# Altium PCB S7.PcbDoc (part 3 of 6) (continued)
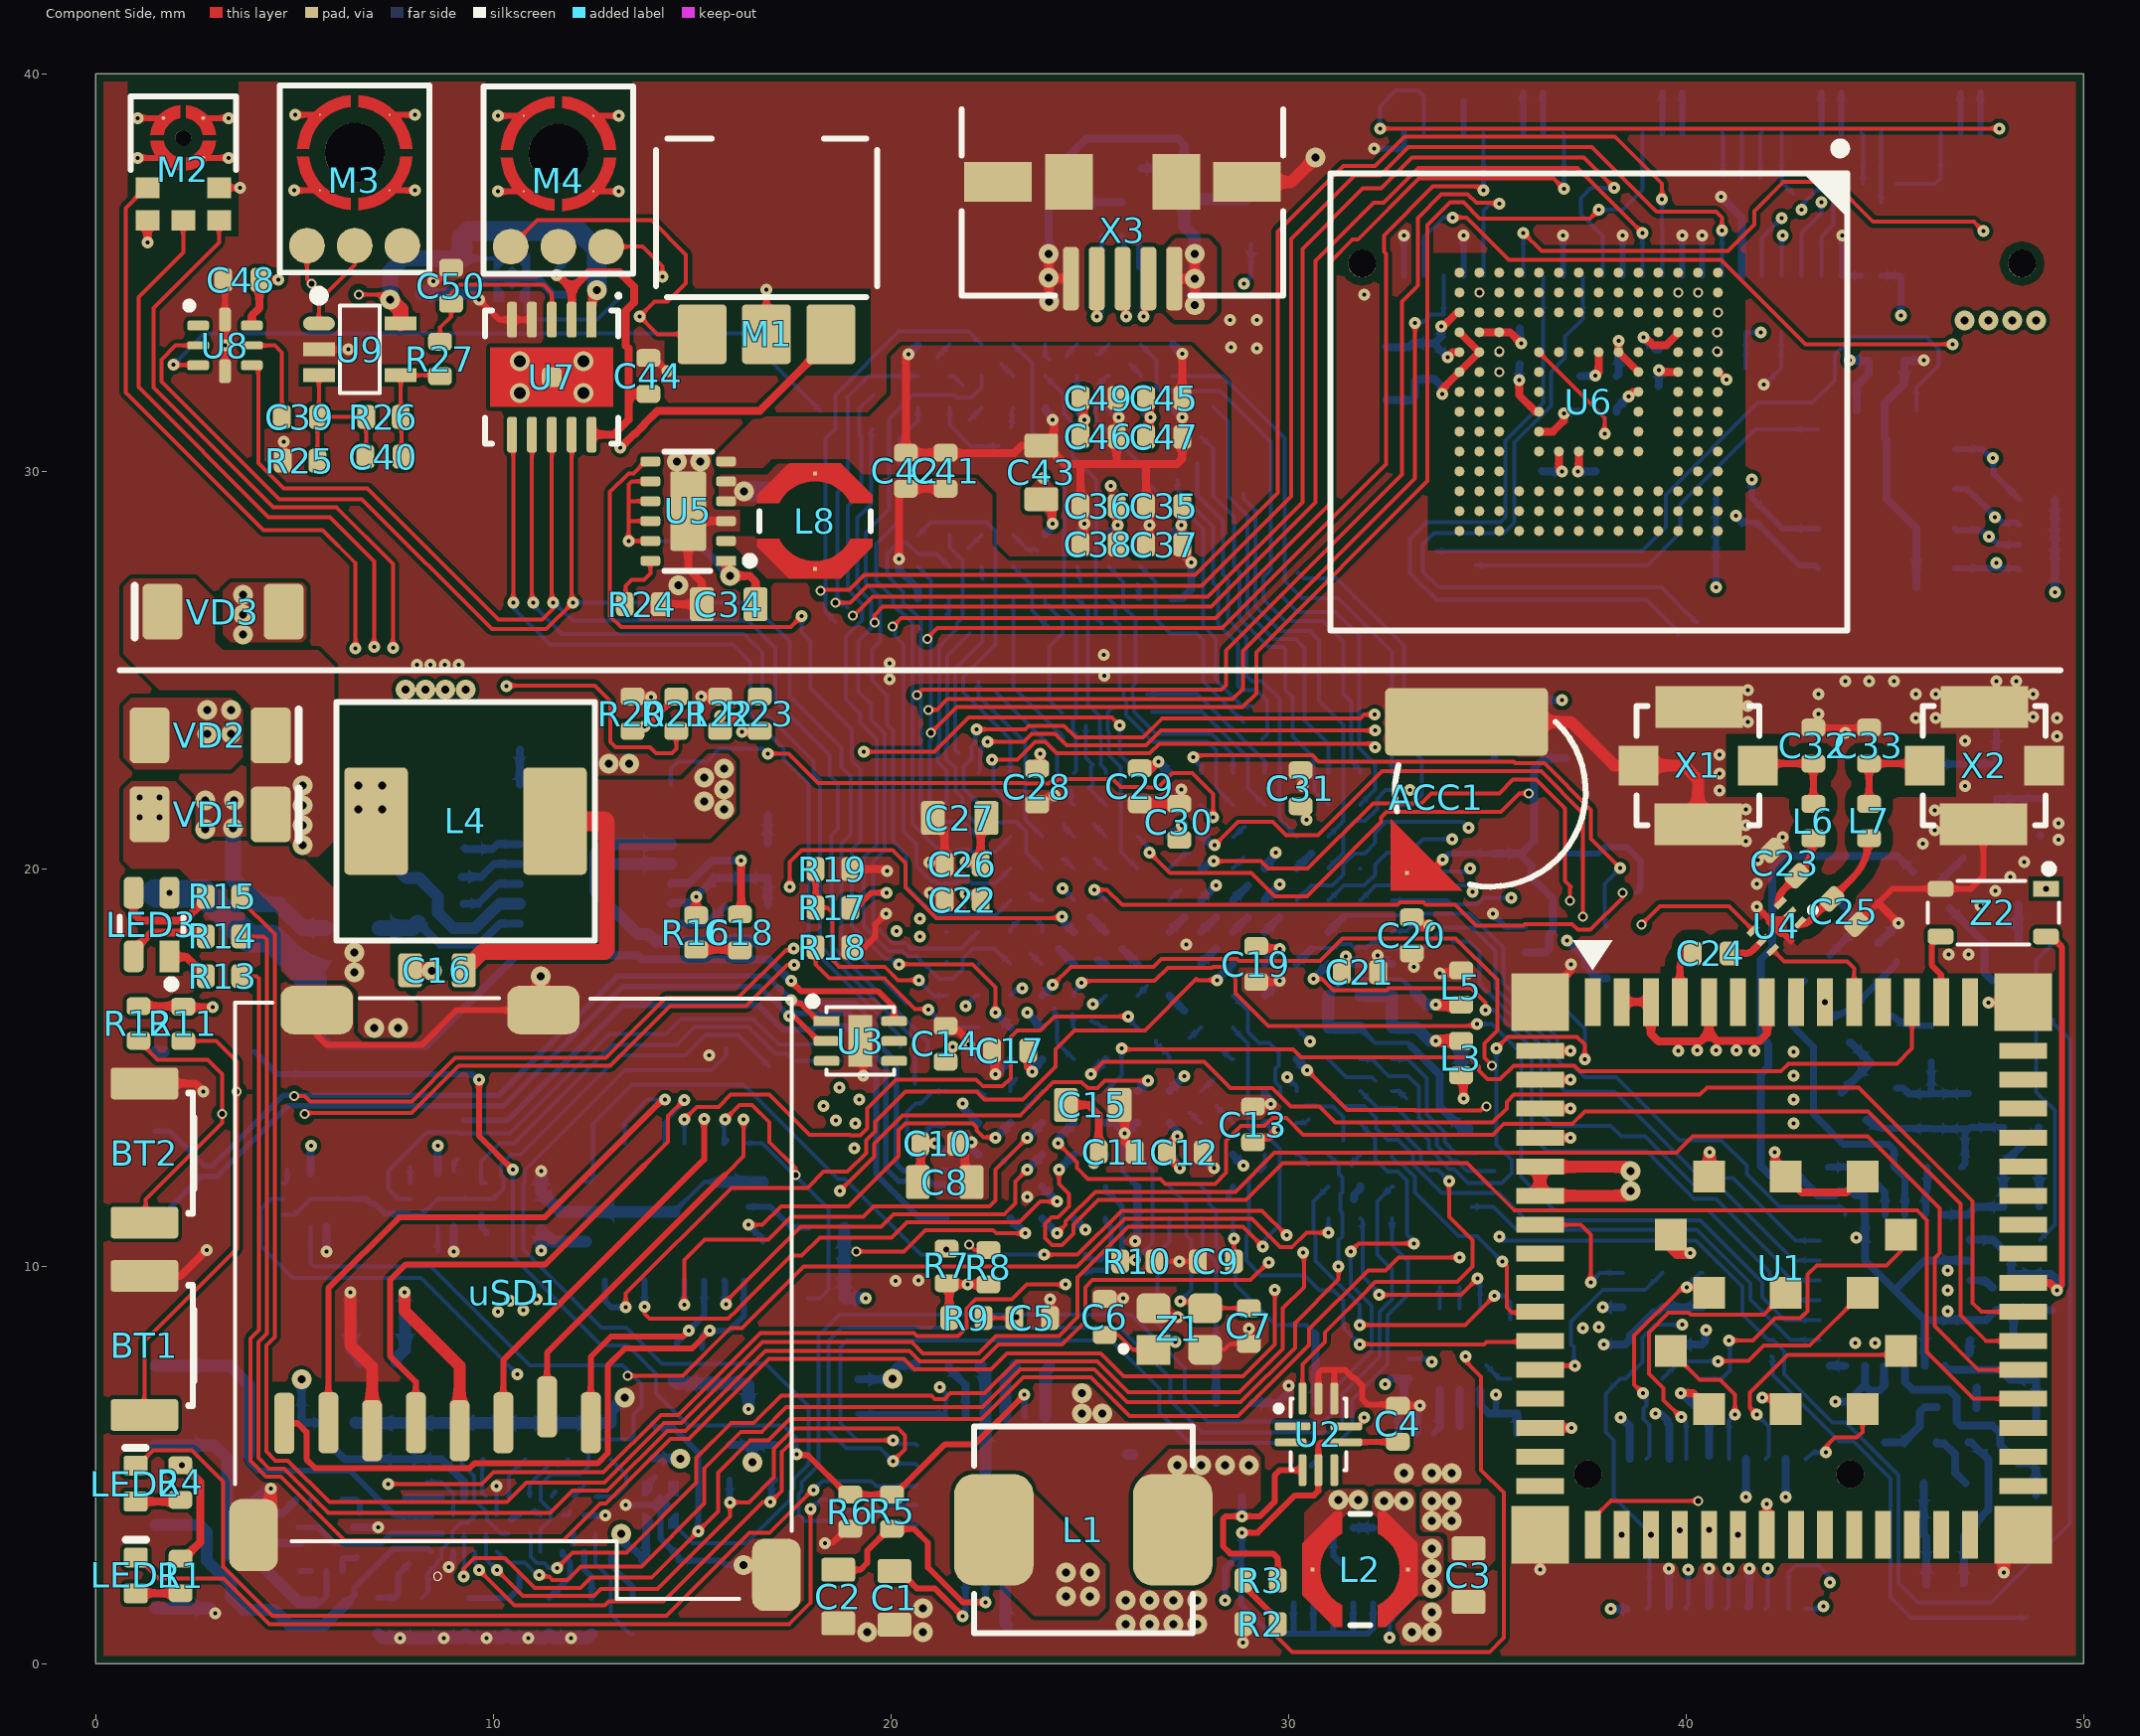
[diagram p0: Component Side view]
## Nets (pads, with @x,y where several pads share a name; then routed paths per layer and width w, separated by ;. In a path a pad name is that pad's centre, name@x,y a point inside that pad or via, vN(x,y) a via of type N, cw(c..) or ccw(c..) an arc to the next point about the centre after c; other vN are vias at no path point) (continued)
  Solder Side w0.3: P_MIC_GND1.1@1.5,1.4 2.873,1.4 v1(3,1.273) ; P_VBAT_GND1.1@1.5,15.4 P_VBAT_GND1.1@1.703,15.4 ; C68.1@3.908,3.967 4.354,4.413 v1(4.4,4.413) ; v1(6.4,9.35) 6.4,8.725 C84.1@6.425,8.7 6.425,7.898 6.648,7.675 C82.1@6.648,7.6 ; C83.2@6.525,6.064 6.538,6.052 C79.2@7.7,6.052 C77.2@8.7,6.052 C76.2@10.8,6.052 C75.2@11.875,6.052 C74.2@12.955,6.052 12.955,6.348 v3(13.3,6.693) ; C65.1@7.1,0.748 7.198,0.65 v1(7.65,0.65) v1(8.75,0.65) 9.202,0.65 C64.2@9.3,0.748 9.398,0.65 v1(9.825,0.65) 10.242,0.65 C63.2@10.34,0.748 10.438,0.65 v1(10.875,0.65) 11.302,0.65 C54.2@11.4,0.748 11.498,0.65 v1(11.95,0.65) 12.372,0.65 C55.2@12.47,0.748 ; C122.2@8.18,34.448 C121.2@9.21,34.448 ; v1(11.2,12.4) C88.1@11.2,11.852 11.677,11.375 U18.PAD@14.55,11.375 ; U23.5@14.462,20.125 12.812,20.125 U23.17@12.562,20.375 ; U23.4@14.462,20.625 12.812,20.625 U23.17@12.562,20.375 ; U18.PAD@15.652,12.125 U18.10@16.775,12.125 ; R50.1@16.7,18.176 16.676,18.2 15.83,18.2 R49.1@15.8,18.17 14.089,18.17 13.901,18.358 13.632,18.358 12.562,19.428 U23.17@12.562,20.375 ; R43.2@22.253,7.512 22.253,7.438 22.375,7.316 U11.9@22.375,6.225 22.375,4.5 U11.25@22.625,4.25
  Solder Side w0.4: v3(3.45,21.025) 3.45,19.752 C103.1@4.05,19.152 4.1,19.102 4.602,19.102 5.193,18.512 C102.2@5.787,18.512
  other v1: 18.348,3.037 44.25,8.075 44.75,8.075 46.575,8.875 46.575,9.4 20.119,9.638 20.697,9.644 46.575,9.9 44.275,10.725 23.429,11.746 42.7,13.6 42.7,14.2 2.7,14.4 42.7,14.8 15.43,15.313 42.7,15.4 40.279,15.429 40.75,15.429 41.719,15.425 33.154,17.538 46.6,17.85 47.1,17.85 27.425,18.101 41.775,19.05 47.4,19.075 47.775,19.45 41.775,19.625 48.15,19.8 48.5,20.175 41.8,20.225 45.949,20.628 41.5,20.7 49.364,20.736 42.425,20.8 46.25,20.975 41.5,21.1 49.373,21.147 46.25,21.475 41.5,21.5 40.846,21.965 47.02,22.08 40.846,22.397 40.846,22.865 47.018,23.214 49.325,23.337 44,23.425 41.55,23.7 45.775,23.8 46.275,23.8 49.325,23.8 48.725,23.825 43.325,23.9 41.55,24.1 43.325,24.4 45.775,24.4 46.275,24.4 48.725,24.4 41.55,24.5 44,24.725 44.6,24.725 45.225,24.725 48.3,24.725 19.972,24.772 25.364,24.855 8.079,25.136 8.417,25.136 8.773,25.136 9.126,25.136 19.972,25.177 25.357,25.383 25.524,29.627 23.825,29.83 29.207,33.094 28.548,33.117 3.25,33.167 28.533,33.802 29.201,33.805 31.91,34.44
  other v2: 44.2,20.9 44.7,20.9 45.2,20.9
  other v3: 19.4,0.8 20.8,0.8 33.1,0.8 33.6,0.8 25.9,1 26.5,1 27.1,1 27.7,1 33.6,1.3 20.8,1.4 25.9,1.6 26.5,1.6 27.1,1.6 27.7,1.6 32.9,4.8 33.6,4.8 34.1,4.8 24.8,6.29 25.32,6.3 24.8,6.81 2.75,21 2.75,21.725 3.475,21.725 12.9,22.641 13.423,22.65 14.65,27.13 14.613,30.25 15.2,30.25 23.977,34.27
  other v4: 34.801,34.5
  other v5: 0.8,1.1 1.4,1.1 2,1.1 0.8,1.8 1.4,1.8 2,1.8 0.8,9.1 1.4,9.1 2,9.1 0.8,9.8 1.4,9.8 2,9.8 0.8,15.1 1.4,15.1 2,15.1 1.4,15.8 0.8,21.1 1.4,21.1 2,21.1 0.8,21.8 1.4,21.8 2,21.8
  other v6: 0.8,15.8 2,15.8
HPL_N: U13.B6 X6.50 | length 70
  Inner1 w0.08: v1(10.123,8.856) 10.123,11.319 9.376,12.066 9.376,13.133 10.068,13.826 10.068,15.573 9.509,16.132 9.509,18.025 11.43,19.946 11.43,24.733 12.393,25.696 12.393,29.29 12.148,29.535 12.148,31.03 13.33,32.212 13.33,32.946 17.783,37.399 32.594,37.399 34.124,38.929 39.147,38.929 39.865,38.211 42.232,38.211 42.898,37.545 43.449,37.545 43.87,37.124 43.87,36.513 43.287,35.93 v1(42.425,35.93)
  Inner4 w0.08: v1(10.123,8.856) 10.263,8.716 10.263,8.241 11.728,6.775 11.728,5.459 10.975,4.706 10.991,4.69 v7(10.991,3.85)
  Solder Side w0.1: v7(10.991,3.85) 11.025,3.85 11.045,3.87 U13.B6@11.188,3.728 ; X6.50@42.4,34.925 42.4,35.905 v1(42.425,35.93)
HPL_P: U13.A5 X6.49 | length 68.9
  Inner1 w0.08: v1(10.416,9.13) 10.321,9.225 10.321,11.401 9.574,12.148 9.574,13.077 10.266,13.77 10.266,15.655 9.689,16.232 9.689,17.925 11.628,19.864 11.628,24.676 12.591,25.639 12.591,29.372 12.328,29.635 12.328,30.93 13.528,32.13 13.528,32.864 17.865,37.201 32.676,37.201 34.206,38.731 39.065,38.731 39.783,38.013 42.15,38.013 42.798,37.365 43.284,37.365 43.69,36.959 43.69,36.646 43.331,36.287 42.789,36.287 42.708,36.368 v1(42.4,36.368)
  Inner4 w0.08: v1(10.416,9.13) 10.416,9.119 10.443,9.093 10.443,8.315 11.908,6.85 11.908,5.385 11.6,5.077 11.6,4.497 11.562,4.458 v7(11.562,4.382)
  Solder Side w0.1: U13.A5@11.463,4.203 11.463,4.23 v7@11.562,4.329 ; X6.49@41.9,34.925 41.9,35.867 v1(42.4,36.368)
HPR_N: U13.A3 X6.52 | length 67.6
  Inner1 w0.08: v1(11.095,9.177) 10.7,9.571 10.7,11.558 9.953,12.305 9.953,12.946 10.645,13.639 10.645,15.812 10.049,16.408 10.049,17.749 12.007,19.707 12.007,24.546 12.97,25.509 12.97,29.529 12.688,29.811 12.688,30.754 13.907,31.973 13.907,32.707 18.022,36.822 32.833,36.822 34.363,38.352 38.908,38.352 39.607,37.653 41.974,37.653 42.2,37.427 42.2,37.097 42.72,36.577 v1(42.909,36.577)
  Inner4 w0.08: v1(11.095,9.177) 11.062,9.144 11.062,8.243 12.475,6.83 12.475,5.039 12.28,4.844 v7(12.28,4.47)
  Solder Side w0.1: U13.A3@12.013,4.203 v7(12.28,4.47) ; v1(42.909,36.577) 42.909,36.7 43.276,37.066 43.524,37.066 43.7,36.89 43.7,36.203 43.4,35.903 X6.52@43.4,34.925
HPR_P: U13.B4 X6.51 | length 67.6
  Inner1 w0.08: v1(10.752,8.9) 10.752,9.241 10.501,9.492 10.501,11.475 9.754,12.223 9.754,13.002 10.446,13.695 10.446,15.73 9.869,16.307 9.869,17.851 11.808,19.789 11.808,24.602 12.771,25.565 12.771,29.447 12.508,29.71 12.508,30.855 13.708,32.055 13.708,32.789 17.94,37.021 32.75,37.021 34.28,38.551 38.99,38.551 39.708,37.833 42.075,37.833 42.723,37.185 42.981,37.185 v1(43.4,36.766)
  Inner4 w0.08: v1(10.752,8.9) 10.7,8.9 10.662,8.861 10.662,8.389 12.187,6.863 12.187,5.235 11.935,4.983 v7(11.935,3.841)
  Solder Side w0.1: U13.B4@11.738,3.728 11.864,3.728 11.935,3.798 v7(11.935,3.841) ; X6.51@42.9,34.925 42.9,36.001 43.4,36.501 v1(43.4,36.766)
I_SENS: U2.10 U17.R12 | length 10.9
  Component Side w0.1: U2.10@30.35,6.673 30.35,7.529 30.915,8.094 30.915,8.339 32,9.424 32,9.429 32.176,9.605 32.424,9.605 32.425,9.604 32.426,9.605 34.241,9.605 34.626,9.99 34.626,10.658 34.037,11.247 v1(34.037,12.15)
  Solder Side w0.1: U17.R12@32.6,13.604 32.613,13.604 33.325,12.892 33.325,12.658 33.56,12.423 33.764,12.423 v1(34.037,12.15)
I_SENS_EN: U2.7 U17.E5 | length 20.5
  Component Side w0.1: U2.7@31.45,5.973 31.75,5.973 31.862,6.085 31.862,6.162 v1(31.9,6.2)
  Inner1 w0.08: v1(24.315,19.508) 24.004,19.197 24.004,17.678 24.198,17.484 24.971,17.484 25.48,16.975 25.48,14.165 26.329,13.316 26.329,11.949 26.5,11.779 26.5,7.57 27.8,6.27 31.83,6.27 v1(31.9,6.2)
  Solder Side w0.1: v1(24.315,19.508) 24.6,19.223 U17.E5@24.6,19.204
IMU_CLK: U15.13 U17.J4 | length 28.5
  Component Side w0.1: v1(28.12,20.19) 29.302,20.19 29.488,20.004 30.479,20.004 32.125,21.65 33.344,21.65 33.594,21.9 35.3,21.9 35.645,22.245 36.23,22.245 36.957,21.518 36.957,19.692 37.1,19.55 37.074,19.524 v4(37.074,19.2)
  Inner1 w0.1: v4(37.074,19.2) 37.074,19.181 37.1,19.155 37.075,19.13 37.075,18.635 37.46,18.25 37.46,15.967 37.95,15.477 37.95,13.188 37.3,12.538 37.3,9.476 37.4,9.376 37.4,8.45 v1(37.41,8.44)
  Inner4 w0.08: v2(34.3,9.471) 34.3,9.285 34.659,8.926 36.789,8.926 36.792,8.928 v1@37.345,8.375
  Solder Side w0.1: U15.13@34.3,8.95 v2(34.3,9.471)
  Solder Side w0.2: U17.J4@27.8,20.004 27.868,20.004 28.034,20.171 28.101,20.171 v1(28.12,20.19)
IMU_CS: U15.12 U17.J3 | length 30.5
  Component Side w0.1: v1(28.14,20.59) 28.729,21.179 29.601,21.179 29.94,20.84 30.74,20.84 32.355,22.455 36.355,22.455 37.409,21.401 v4(37.409,18.795)
  Inner1 w0.1: v4(37.409,18.795) 37.409,18.76 37.66,18.51 37.66,16.05 38.15,15.56 38.15,13.05 37.6,12.5 37.6,10.2 37.9,9.9 37.9,9.476 37.6,9.176 37.6,8.684 37.81,8.474 v1(37.81,8.47)
  Inner4 w0.08: v2(33.8,9.484) 33.8,9.24 34.44,8.6 36.585,8.6 37.11,8.075 37.515,8.075 37.81,8.37 v1(37.81,8.47)
  Solder Side w0.1: U15.12@33.8,8.95 v2(33.8,9.484)
  Solder Side w0.2: U17.J3@27.8,20.804 27.868,20.804 28.063,20.609 28.121,20.609 v1(28.14,20.59)
IMU_INT1: U15.9 U17.M10 | length 13.1
  Component Side w0.1: v1(30.469,14.935) 31.475,13.929 33.178,13.929 33.183,13.925 34.832,13.925 34.922,14.016 v4(34.977,14.016)
  Inner1 w0.1: v1(33.6,7.6) 33.654,7.6 33.761,7.707 33.779,7.707 34.977,8.904 34.977,9.033 34.875,9.135 34.875,9.383 34.977,9.485 34.977,9.492 35.05,9.566 35.05,9.814 34.977,9.888 v4(34.977,14.016)
  Solder Side w0.1: U15.9@33.025,7.675 v1@33.6,7.675
  Solder Side w0.2: U17.M10@30.2,15.204 v1(30.469,14.935)
IMU_INT2: U15.4 U17.N10 | length 11.3
  Inner4 w0.08: v2(32.173,14.675) 32.173,12.303 32.092,12.222 32.105,12.209 32.105,11.924 32.135,11.894 32.135,11.484 32.105,11.454 32.105,10.075 33.975,8.205 33.975,7.474 34.124,7.325 34.798,7.325 v2(34.977,7.504)
  Solder Side w0.1: U17.N10@31,15.204 31.45,14.754 32.094,14.754 v2(32.173,14.675) ; v2(34.977,7.504) 35.305,7.175 U15.4@35.575,7.175
IMU_SDI: U15.14 U17.P15 | length 5.5
  Component Side w0.1: v1(32.28,9.28) 34.34,9.28 34.365,9.305 v1(34.75,9.69)
  Solder Side w0.1: U17.P15@31.8,11.204 31.862,11.142 31.862,9.743 32.28,9.325 v1(32.28,9.28) ; v1(34.75,9.69) 34.75,9.66 34.818,9.592 34.818,8.968 U15.14@34.8,8.95
IMU_SDO: U15.1 U17.N14 | length 8.7
  Component Side w0.1: v1(31.788,8.525) 34.441,8.525 v1(35.175,9.259)
  Solder Side w0.1: U17.N14@31,12.004 30.625,11.629 30.625,10.859 30.675,10.809 30.675,10.134 31.788,9.021 v1(31.788,8.525) ; v1(35.175,9.259) 35.411,9.259 35.575,9.095 U15.1@35.575,8.675
JTAG_TCLK/SWD_CLK: U17.F5 X4.4 | length 38.6
  Component Side w0.1: v1(25.113,19.472) 25.434,19.472 25.813,19.093 32.745,19.093 32.804,19.152 33.396,19.152 33.455,19.093 34.19,19.093 34.712,18.571 35.904,18.571 35.943,18.61 37.134,18.61 37.274,18.47 37.595,18.47 38.4,19.275 v4(38.4,19.4)
  Inner1 w0.1: v4(38.4,19.4) 38.4,19.336 38.31,19.246 38.5,19.056 38.5,16.342 39.12,15.722 39.12,13.721 39.657,13.184 39.657,9.394 40.2,8.851 40.2,6.876 41.438,5.638 42.023,5.638 43.125,4.536 43.125,2.593 42.311,1.78 40.544,1.78 40.054,2.269 v1(40.054,2.372)
  Solder Side w0.1: v1(25.113,19.472) 25.132,19.472 U17.F5@25.4,19.204 ; X4.4@40,1.378 39.974,1.404 40.054,1.485 v1(40.054,2.372)
JTAG_TDI: U17.C2 X4.8 | length 38.7
  Component Side w0.1: v1(22.545,22.75) 23.18,22.75 ; 23.181,22.75 23.631,23.2 23.879,23.2 24.055,23.024 24.055,23.02 24.171,22.904 26.505,22.904 26.751,23.15 32.082,23.15 v1(32.177,23.056)
  Inner1 w0.1: v1(32.177,23.056) 33.786,23.056 37.496,19.346 37.62,19.222 37.62,19.044 ; 37.678,18.986 37.62,19.044 ; v1(42.05,2.4) 42.05,3.221 41.205,4.066 41.205,4.283 39.575,5.914 39.575,6.209 39.526,6.258 39.526,6.424 39.37,6.581 39.37,6.778 38.52,7.627 38.52,9.716 37.925,10.311 37.925,12.436 38.52,13.031 38.52,15.473 37.9,16.093 37.9,18.764 37.62,19.044
  Solder Side w0.1: v1(22.545,22.75) 22.575,22.72 22.575,22.029 U17.C2@23,21.604 ; X4.8@42,1.378 41.992,1.386 42.05,1.444 v1(42.05,2.4)
JTAG_TDO/TRACE_SWO: U17.B1 X4.6 | length 41.1
  Component Side w0.1: v1(22.425,23.2) 23.348,23.2 23.548,23.4 24.125,23.4 24.421,23.104 26.422,23.104 26.798,23.48 v1(32.177,23.48)
  Inner1 w0.1: v1(32.177,23.48) 33.645,23.48 37.82,19.305 37.82,19.127 38.1,18.847 38.1,16.176 38.72,15.556 38.72,13.041 39.15,12.611 39.15,10.23 38.85,9.93 38.85,7.862 39.57,7.142 39.57,6.686 39.748,6.507 40.073,6.507 41.411,5.17 41.944,5.17 42.8,4.314 42.8,2.7 42.15,2.05 41.315,2.05 41.07,2.295 v1(41.07,2.4)
  Solder Side w0.1: U17.B1@22.2,22.404 22.245,22.449 22.245,23.006 22.425,23.187 v1(22.425,23.2) ; X4.6@41,1.378 41.07,1.448 v1(41.07,2.4)
JTAG_TMS/SWD_DIO: R31.1 U17.B2 X4.2 | length 40.9
  Component Side w0.1: v1(22.15,23.508) 23.373,23.508 23.465,23.6 24.354,23.6 24.65,23.304 26.339,23.304 26.812,23.777 31.8,23.777 31.903,23.88 v1(32.17,23.88)
  Inner1 w0.1: v1(32.17,23.88) 33.602,23.88 38.041,19.441 38.041,19.189 38.3,18.93 38.3,16.259 38.92,15.639 38.92,13.516 39.35,13.086 39.35,9.08 v1(39.9,8.53)
  Solder Side w0.1: v1(22.15,23.508) 22.125,23.484 22.125,23.17 22.02,23.064 22.02,23.05 22.027,23.042 22.027,22.772 21.825,22.569 21.825,22.025 22.2,21.65 U17.B2@22.2,21.604 ; X4.2@39,1.378 39.076,1.454 39.076,3.294 38.185,4.185 38.185,5.624 37.975,5.835 37.975,6.801 38.34,7.165 R31.1@38.4,7.165 38.475,7.165 38.898,7.588 38.898,8.205 39.224,8.53 v1(39.9,8.53)
LCD_BLE: U17.A7 X6.35 | length 34
  Component Side w0.1: v4(20.65,24.373) 20.783,24.506 28.311,24.506 28.427,24.622 28.427,25.496 32.851,29.92 32.851,34.272 33.25,34.671 33.25,36.372 33.844,36.966 34.51,36.966 34.724,36.752 35.278,36.752 v1(35.304,36.727)
  Inner1 w0.08: v1(20.142,18.439) 20.18,18.476 20.18,19.18 20.3,19.3 20.3,24.031 20.642,24.373 v4(20.65,24.373)
  Inner4 w0.08: v1(20.142,18.439) 20.634,17.947 21.053,17.947 21.396,17.604 21.4,17.608 v2(21.4,17.654)
  Solder Side w0.1: U17.A7@21.4,17.604 v2(21.4,17.654) ; X6.35@34.9,34.925 34.9,36.56 35.067,36.727 v1(35.304,36.727)
LCD_CLK: U17.E9 X6.25 | length 48.8
  Inner4 w0.08: v2(24.571,16.354) 24.741,16.524 24.741,16.673 24.96,16.891 26.167,16.891 26.317,16.742 26.886,16.742 27.111,16.967 28.023,16.967 28.08,16.91 28.621,16.91 28.911,17.2 29.381,17.2 29.64,17.459 29.644,17.459 29.655,17.469 30.165,17.469 31.636,18.94 33.541,18.94 34.316,19.716 34.826,19.716 35.4,20.29 35.4,21.651 36.045,22.296 36.045,26.41 40.38,30.746 41.795,30.746 43.47,32.421 43.47,33.062 46.954,36.546 46.954,38.308 46.49,38.772 46.382,38.772 46.274,38.88 46.193,38.88 46.188,38.885 44.751,38.885 44.746,38.88 44.605,38.88 44.515,38.79 40.766,38.79 40.641,38.915 40.215,38.915 39.925,38.625 37.017,38.625 36.917,38.525 v2(35.4,38.525)
  Solder Side w0.1: v2@24.569,16.355 24.586,16.339 24.586,16.019 U17.E9@24.6,16.004
LCD_DAT0: U17.M4 X6.3 | length 30.8
  Inner4 w0.08: v2(30.5,20.4) 30.593,20.4 30.868,20.675 30.868,20.974 30.941,21.046 30.941,22.412 31.562,23.034 31.562,25.763 33.246,27.446 33.246,31.741 33.791,32.287 34.212,32.287 35.787,33.862 36.08,33.862 36.593,34.375 40.875,34.375 41.73,35.23 41.73,36.463 42.603,37.336 43.279,37.336 43.687,36.927 44.58,36.927 44.765,37.112 44.765,37.144 44.849,37.228 v2(45.288,37.228)
  Solder Side w0.1: v2(45.288,37.228) 46.252,37.228 46.4,37.376 X6.3@46.4,38.525
  Solder Side w0.2: U17.M4@30.2,20.004 U17.M4@30.2,20.004 30.574,20.379 v2@30.575,20.379
LCD_DAT1: U17.P4 X6.4 | length 24.5
  Inner4 w0.08: v2(31.8,20.004) 31.873,20.004 32.081,20.212 32.309,20.212 32.476,20.379 32.676,20.379 34.212,21.915 34.212,25.834 40.344,31.966 41.084,31.966 41.309,32.191 41.309,32.254 42.053,32.997 42.252,32.997 45.9,36.645 v2(45.9,37.848)
LCD_DAT2: U17.R3 X6.5 | length 23.2
  Inner4 w0.08: v2(32.61,20.81) 33.942,22.142 33.942,25.896 41.223,33.177 42.178,33.177 45.69,36.69 45.69,37.336 45.379,37.646 v2(45.379,37.865)
  Solder Side w0.1: U17.R3@32.6,20.804 32.604,20.804 v2(32.61,20.81)
LCD_DAT3: U17.K6 X6.6 | length 30.6
  Inner4 w0.08: v2(28.975,18.782) 29.085,18.782 29.415,19.112 30.224,19.112 31.305,20.193 31.305,20.348 31.496,20.54 31.496,21.598 33.1,23.202 33.1,26.224 34.253,27.377 34.253,27.689 34.609,28.046 34.609,31.519 35.841,32.751 36.045,32.751 37.168,33.875 42.223,33.875 43.728,35.38 43.905,35.38 44.9,36.375 v2(44.9,36.766)
  Solder Side w0.1: v2(44.9,36.766) X6.6@44.9,38.525
  Solder Side w0.2: U17.K6@28.6,18.404 U17.K6@28.6,18.404 28.974,18.779 v2@28.975,18.779
LCD_DAT4: U17.K5 X6.7 | length 30.7
  Inner4 w0.08: v2(29.1,19.6) 29.1,19.707 29.126,19.733 29.293,19.9 29.835,19.9 30.185,20.25 30.185,20.53 30.285,20.63 30.285,20.645 30.761,21.121 30.761,22.662 31.238,23.14 31.238,25.891 32.886,27.539 32.886,31.689 33.715,32.517 34.151,32.517 35.718,34.084 35.89,34.084 36.428,34.622 40.815,34.622 41.55,35.358 41.55,36.618 42.466,37.534 42.778,37.534 42.779,37.533 43.04,37.533 43.041,37.534 44.158,37.534 v2(44.45,37.242)
  Solder Side w0.1: X6.7@44.4,38.525 44.45,38.475 v2(44.45,37.242)
  Solder Side w0.2: U17.K5@28.6,19.204 U17.K5@28.6,19.204 28.974,19.579 v2@28.975,19.579
LCD_DAT5: U17.J7 X6.10 | length 33.6
  Inner4 w0.08: v2(28.18,17.99) 28.654,18.464 30.396,18.464 31.621,19.689 32.241,19.689 35.119,22.568 35.119,26.372 40.449,31.702 41.074,31.702 41.489,32.117 41.489,32.179 42.127,32.817 42.444,32.817 46.274,36.648 46.274,37.931 45.971,38.235 45.125,38.235 44.737,37.848 v2(42.909,37.848)
  Solder Side w0.2: U17.J7@27.8,17.604 27.8,17.607 28.18,17.987 v2(28.18,17.99)
LCD_DAT6: U17.J6 X6.11 | length 30
  Inner4 w0.08: v2(28.175,18.782) 28.678,19.285 29.333,19.285 29.34,19.292 30.15,19.292 31.125,20.267 31.125,20.423 31.316,20.614 31.316,21.785 32.779,23.249 32.779,26.211 34.073,27.504 34.073,31.748 34.585,32.261 35.096,32.261 35.767,32.931 35.97,32.931 37.164,34.125 41.035,34.125 41.91,35 41.91,36.288 42.6,36.978 v2(42.703,36.978)
  Solder Side w0.1: X6.11@42.4,38.525 42.4,37.281 v2(42.703,36.978)
  Solder Side w0.2: U17.J6@27.8,18.404 U17.J6@27.8,18.404 v2@28.174,18.779
LCD_DAT7: U17.H5 X6.12 | length 29.8
  Inner4 w0.08: v2(27.275,19.462) 27.713,19.9 28.954,19.9 29.134,20.08 29.76,20.08 30.005,20.325 30.005,20.605 30.105,20.705 30.105,21.425 29.969,21.561 29.969,22.292 30.97,23.293 30.97,25.881 32.532,27.443 32.532,31.966 33.819,33.253 34.51,33.253 35.739,34.482 35.977,34.482 36.414,34.919 40.744,34.919 41.37,35.545 41.37,36.883 v2(41.868,37.382)
  Solder Side w0.1: U17.H5@27,19.204 27.008,19.204 27.267,19.462 v2(27.275,19.462) ; v2(41.868,37.382) 41.868,38.49 41.902,38.523 X6.12@41.9,38.525
LCD_DAT8: U17.H4 X6.13 | length 29
  Inner4 w0.08: v2(27.491,20.39) 28.052,20.952 28.283,20.952 28.533,21.202 28.533,25.326 28.656,25.45 30.198,25.45 32.159,27.411 32.159,32.294 33.501,33.635 33.501,33.864 34.132,34.494 35.497,34.494 36.189,35.186 40.602,35.186 41.19,35.774 41.19,37.031 41.4,37.241 v2(41.4,37.382)
  Solder Side w0.1: U17.H4@27,20.004 27.386,20.39 v2(27.491,20.39) ; v2(41.4,37.382) X6.13@41.4,38.525
LCD_DAT9: U17.G7 X6.14 | length 33.8
  Inner4 w0.08: v2(25.8,17.9) 26.531,17.9 26.805,18.174 26.805,18.884 26.665,19.024 26.665,19.586 26.986,19.907 26.986,20.7 27.004,20.717 27.004,21.202 27.656,21.854 27.656,22.205 27.224,22.637 27.224,22.88 27.986,23.641 27.986,25.61 28.302,25.927 30.075,25.927 31.63,27.481 31.63,32.839 33.055,34.264 33.055,34.85 33.724,35.519 33.724,36.608 34.543,37.427 35.764,37.427 36.465,36.726 37.333,36.726 37.497,36.89 38.011,36.89 38.157,36.744 38.566,36.744 39.249,37.427 v2(40.925,37.427)
  Solder Side w0.1: X6.14@40.9,38.525 40.925,38.5 v2(40.925,37.427)
  Solder Side w0.2: v2@25.825,17.979 25.826,17.979 26.2,17.606 U17.G7@26.2,17.604
LCD_DAT10: U17.G8 X6.15 | length 40
  Inner4 w0.08: v2(26.447,17.057) 26.472,17.082 26.709,17.082 26.856,17.229 27.815,17.229 28.081,17.495 29.422,17.495 29.606,17.679 30.12,17.679 31.561,19.12 33.261,19.12 34.411,20.269 34.411,20.49 35.063,21.143 35.063,21.785 35.718,22.439 35.718,26.338 40.492,31.112 41.729,31.112 43.29,32.673 43.29,33.136 46.76,36.607 46.76,38.14 46.2,38.7 46.118,38.7 46.113,38.705 44.825,38.705 44.82,38.7 44.68,38.7 44.505,38.525 44.43,38.6 v2(40.5,38.6)
  Solder Side w0.1: U17.G8@26.2,16.804 26.2,16.807 26.447,17.054 v2(26.447,17.057)
LCD_DAT11: U17.A6 X6.18 | length 35.7
  Component Side w0.1: v4(21.009,23.425) 21.651,24.068 28.847,24.068 29.187,24.408 29.187,25.45 33.49,29.752 33.49,36.19 34.066,36.766 34.404,36.766 34.81,36.36 37.583,36.36 v1(37.8,36.577)
  Inner1 w0.08: v1(20.732,18.744) 20.919,18.744 21.3,19.125 21.3,20.59 21.009,20.881 v4(21.009,23.425)
  Inner4 w0.08: v1(20.732,18.744) 20.742,18.734 21.061,18.734 v2(21.387,18.408)
  Solder Side w0.1: v2(21.387,18.408) 21.396,18.408 U17.A6@21.4,18.404 ; v1(37.8,36.577) 38.399,36.577 38.9,37.078 X6.18@38.9,38.525
LCD_DAT12: U17.F6 X6.19 | length 30.4
  Inner4 w0.08: v2(25,18.93) 24.877,18.93 24.778,19.029 24.778,19.755 24.912,19.889 25.365,19.889 25.579,20.103 25.579,22.23 27.296,23.946 27.296,25.898 27.963,26.565 29.676,26.565 29.678,26.562 29.939,26.562 30.697,27.321 30.697,36.043 32.089,37.435 32.089,37.442 32.226,37.442 32.806,38.022 37.067,38.022 37.25,38.205 38.035,38.205 v2(38.4,37.84)
  Solder Side w0.2: v2@25.025,18.779 25.026,18.779 U17.F6@25.4,18.404 U17.F6@25.4,18.404
LCD_DAT13: U17.F7 X6.20 | length 30.3
  Inner4 w0.08: v2(25.2,17.7) 25.2,17.749 25.15,17.799 25.623,18.272 25.945,18.272 26.027,18.19 26.307,18.19 26.625,18.508 26.625,18.692 26.398,18.919 26.398,19.593 26.806,20.001 26.806,20.774 26.824,20.792 26.824,21.369 27.02,21.565 27.02,23.035 27.786,23.8 27.786,25.716 28.186,26.116 30.002,26.116 31.313,27.427 31.313,34.93 31.26,34.983 31.26,35.627 33.279,37.646 36.705,37.646 36.938,37.413 37.488,37.413 37.882,37.806 v2(37.882,37.826)
  Solder Side w0.2: v2(25.2,17.7) 25.232,17.7 25.328,17.604 U17.F7@25.4,17.604 U17.F7@25.4,17.606
LCD_DAT14: U17.E7 X6.21 | length 29.9
  Inner4 w0.08: v2(24.225,17.982) 24.225,18.298 24.567,18.64 24.844,18.64 24.869,18.615 25.195,18.615 25.4,18.82 25.4,19.349 25.403,19.352 25.403,19.567 25.872,20.037 25.872,22.258 27.552,23.937 27.552,25.783 28.107,26.338 29.969,26.338 30.97,27.339 30.97,35.822 32.99,37.842 v2(37.377,37.842)
  Solder Side w0.2: v2@24.226,17.979 24.6,17.606 U17.E7@24.6,17.604
LCD_DAT15: U17.B11 X6.22 | length 43.6
  Component Side w0.1: v4(20.045,26.09) 20.26,26.306 28.162,26.306 31.05,29.193 31.05,35.275 31.601,35.827 31.743,35.827 33.283,37.367 36.668,37.367 v1(36.925,37.11)
  Inner1 w0.08: v1(19.2,14.2) 18.59,14.2 18.41,14.38 18.41,15.432 19.32,16.342 19.32,20.373 19.61,20.663 19.61,25.243 20.045,25.678 v4(20.045,26.09)
  Inner4 w0.08: v1(19.2,14.2) 19.216,14.216 21.336,14.216 21.51,14.39 21.92,14.39 22.11,14.2 v2(22.4,14.2)
  Solder Side w0.1: U17.B11@22.2,14.404 22.216,14.404 22.4,14.22 v2(22.4,14.2) ; X6.22@36.9,38.525 36.925,38.5 v1(36.925,37.11)
LCD_EXTCLK: U17.M12 X6.32 | length 48.2
  Component Side w0.1: v1(34.132,36.388) 34.475,36.388 35.548,35.315 40.885,35.315 43,33.2 v1(46.7,33.2)
  Inner4 w0.08: v2(30.5,13.7) 31.5,14.7 31.5,14.927 31.948,15.375 33.226,15.375 33.398,15.203 34.255,15.203 35.672,16.62 35.672,16.724 36.858,17.91 37.12,17.91 37.882,18.672 37.882,18.98 38.634,19.732 38.634,25.64 39.559,26.565 45.957,26.565 47.117,27.725 47.117,30.192 46.7,30.609 v1(46.7,33.2)
  Solder Side w0.1: U17.M12@30.2,13.604 30.404,13.604 v2(30.5,13.7) ; X6.32@33.4,34.925 33.4,35.89 33.898,36.388 v1(34.132,36.388)
LCD_ON: U17.B7 X6.33 | length 28.7
  Component Side w0.1: v4(20.942,24) 21.149,24 21.417,24.268 28.597,24.268 28.851,24.522 28.851,25.488 33.183,29.82 v1(33.183,33.727)
  Inner1 w0.08: v1(20.73,18.3) 20.442,18.588 20.442,18.974 20.642,19.174 20.642,23.7 v4(20.942,24)
  Inner4 w0.08: v1(20.73,18.3) 20.73,18.272 20.993,18.272 21.213,18.053 21.745,18.053 v2(22.2,17.599) v2(22.2,17.599)
  Solder Side w0.1: U17.B7@22.2,17.598 v2(22.2,17.599) U17.B7@22.2,17.604 ; v1(33.183,33.727) 33.221,33.765 33.402,33.765 33.583,33.945 33.9,33.945 X6.33@33.9,34.925
LCD_TCON0: U17.C11 X6.26 | length 41.5
  Component Side w0.1: v4(20.912,25.783) 20.912,25.802 21.168,26.058 28.327,26.058 32.45,30.181 32.45,35.475 32.4,35.525 32.4,35.933 33.633,37.166 34.806,37.166 v1(34.905,37.067)
  Inner1 w0.08: v1(18.7,14.5) 18.7,15.356 19.584,16.24 19.584,20.14 20,20.556 20,24.305 20.319,24.624 20.319,25.585 20.517,25.783 v4(20.912,25.783)
  Inner4 w0.08: v1(18.7,14.5) 19.555,14.5 20.015,14.961 20.807,14.961 20.948,14.82 22.205,14.82 22.504,15.119 22.745,15.119 23.144,14.72 v2(23.16,14.72)
  Solder Side w0.1: U17.C11@23,14.404 23,14.56 v2(23.16,14.72) ; X6.26@34.9,38.525 34.905,38.52 v1(34.905,37.067)
LCD_TCON1: U17.F9 X6.29 | length 56.3
  Component Side w0.1: v1(32.299,38.625) v1(47.875,38.625)
  Inner4 w0.08: v2(25.025,16.176) 25.096,16.176 25.507,16.587 26.217,16.587 26.304,16.5 26.899,16.5 27.186,16.787 27.948,16.787 28.079,16.656 29.662,16.656 30.065,17.059 30.065,17.115 31.693,18.743 32.404,18.743 32.886,18.26 33.659,18.26 34.428,19.029 34.64,19.029 35.718,20.107 35.718,21.51 36.28,22.072 36.28,26.391 40.289,30.4 41.888,30.4 43.65,32.162 43.65,32.987 47.875,37.212 v1(47.875,38.625)
  Solder Side w0.1: v2(25.025,16.176) 25.064,16.176 25.118,16.122 25.188,16.122 25.305,16.004 U17.F9@25.4,16.004 ; v1(32.299,38.625) 32.299,39.187 32.692,39.58 33.269,39.58 33.4,39.449 X6.29@33.4,38.525
LCD_TCON2: U17.E10 X6.28 | length 49.6
  Inner4 w0.08: v2(24.121,16.489) 24.169,16.489 24.2,16.52 24.497,16.817 24.497,17.249 24.672,17.424 25.031,17.424 25.069,17.385 25.33,17.385 25.369,17.424 27.755,17.424 28.006,17.675 29.061,17.675 29.67,18.284 30.471,18.284 31.696,19.509 32.398,19.509 35.4,22.512 35.4,26.275 40.582,31.457 41.639,31.457 43.11,32.928 43.11,33.211 46.58,36.681 46.58,37.984 46.039,38.525 44.9,38.525 44.695,38.32 40.753,38.32 40.668,38.235 40.28,38.235 40.195,38.32 38.177,38.32 38.072,38.425 37.159,38.425 36.944,38.21 34.215,38.21 v2(33.9,38.525)
  Solder Side w0.1: v2(24.121,16.489) 24.121,16.439 24.1,16.418 24.137,16.381 24.118,16.362 24.118,16.216 24.175,16.159 24.175,15.629 U17.E10@24.6,15.204
LED_B: R15.1 U17.K9 | length 50.2
  Component Side w0.1: R15.1@3.635,19.3 3.635,19.225 4.5,18.36 4.5,8.226 4.287,8.014 4.287,5.345 4.52,5.113 4.83,5.113 5.875,4.068 10.344,4.068 10.83,4.554 12.789,4.554 14.294,6.059 14.732,6.059 16.77,8.097 20.523,8.097 20.81,7.81 22.199,7.81 22.639,8.25 24.225,8.25 24.69,8.715 24.69,9.721 25.968,10.999 28.851,10.999 v1(29.35,10.5)
  Solder Side w0.1: U17.K9@28.6,16.004 28.6,15.991 28.981,15.61 28.981,13.493 29.295,13.179 29.555,13.179 29.775,12.959 29.775,11.049 29.388,10.662 29.388,10.538 v1(29.35,10.5)
LED_G: R14.1 U17.P14 | length 46.8
  Component Side w0.1: R14.1@3.635,18.3 4.221,18.3 4.3,18.221 4.3,8.309 4.087,8.097 4.087,5.187 4.361,4.913 4.747,4.913 5.86,3.8 11.434,3.8 11.988,4.354 12.872,4.354 14.377,5.859 14.832,5.859 16.846,7.874 20.463,7.874 20.727,7.61 22.282,7.61 22.706,8.034 24.309,8.034 24.89,8.614 24.89,9.475 25.067,9.653 29.045,9.653 29.492,10.1 v1(29.51,10.1)
  Inner4 w0.08: v1(29.51,10.1) 29.999,10.1 30.059,10.04 30.65,10.04 31.64,11.03 v2(31.64,11.689)
  Solder Side w0.2: v2(31.64,11.689) 31.659,11.708 31.659,11.809 31.8,11.95 U17.P14@31.8,12.004
LED_R: R13.1 U17.P13 | length 49
  Component Side w0.1: R13.1@3.635,17.3 4.046,17.3 4.1,17.246 4.1,8.392 3.907,8.199 3.887,8.179 3.887,5.104 4.278,4.713 4.652,4.713 6.258,3.107 11.768,3.107 12.688,4.028 12.828,4.028 14.46,5.659 14.914,5.659 16.929,7.674 20.327,7.674 20.591,7.41 22.515,7.41 22.915,7.81 25.278,7.81 25.853,7.235 28.86,7.235 29.66,8.035 v1(29.66,9.409)
  Inner4 w0.08: v1(29.66,9.409) 31.309,9.409 31.925,10.025 31.925,11.528 31.955,11.558 31.955,11.819 31.925,11.849 31.925,11.918 31.592,12.252 v2(31.592,12.528)
  Solder Side w0.1: v2@31.592,12.528 31.562,12.558 31.809,12.804 U17.P13@31.8,12.804
MIC1_N: M1.1 U13.B14 | length 38.2
  Component Side w0.2: v1(13.198,30.595) 13.555,30.952 13.576,30.952 13.792,31.168 13.792,31.189 14.126,31.523 16.7,31.523 18.49,33.313 M1.1@18.49,33.45
  Inner4 w0.1: v2(8.312,4.575) 9.165,4.575 9.825,5.235 9.825,6.73 9.497,7.059 9.497,10.165 9.5,10.168 9.5,10.689 9.495,10.694 9.495,11.895 10.75,13.15 10.75,18.397 11.805,19.452 11.805,24.556 10.08,26.282 10.08,27.477 v1(13.198,30.595)
  Solder Side w0.1: v2(8.312,4.575) 8.694,4.575 8.837,4.433 8.84,4.433 8.988,4.285 U13.B14@8.988,3.728
MIC1_P: U13.A15 U14.5 U14.10 | length 6.7
  Inner4 w0.15: v2(5.155,2.322) 6.814,2.322 6.95,2.457 6.95,2.934 6.656,3.228 6.67,3.242 v2(6.67,3.804) 7.34,3.804 7.354,3.79 7.807,4.243 7.85,4.2 7.832,4.182 v2(7.782,4.182)
  Solder Side w0.15: v2(5.155,2.322) 5.171,2.337 U14.10@5.405,2.337 ; U14.5@6.205,4.137 6.546,4.137 6.648,4.035 6.648,3.798 6.654,3.804 v2(6.67,3.804) ; v2(7.782,4.182) 7.791,4.191 8.704,4.191 U13.A15@8.713,4.183
MIC2_P: P_MIC1.1 U13.D16 | length 9.5
  Solder Side w0.15: 6.3,1.525 6.505,1.73 6.505,1.915 7.483,2.893 8.362,2.893 U13.D16@8.438,2.818
  Solder Side w0.3: P_MIC1.1@1.5,3.5 2.612,3.5 2.787,3.324 2.787,2.6 3.4,1.987 3.4,1.678 3.721,1.358 4.487,1.358 4.872,0.973 5.746,0.973 6.298,1.525 6.3,1.525